# KiCad board IO_SDR_1.1.kicad_pcb
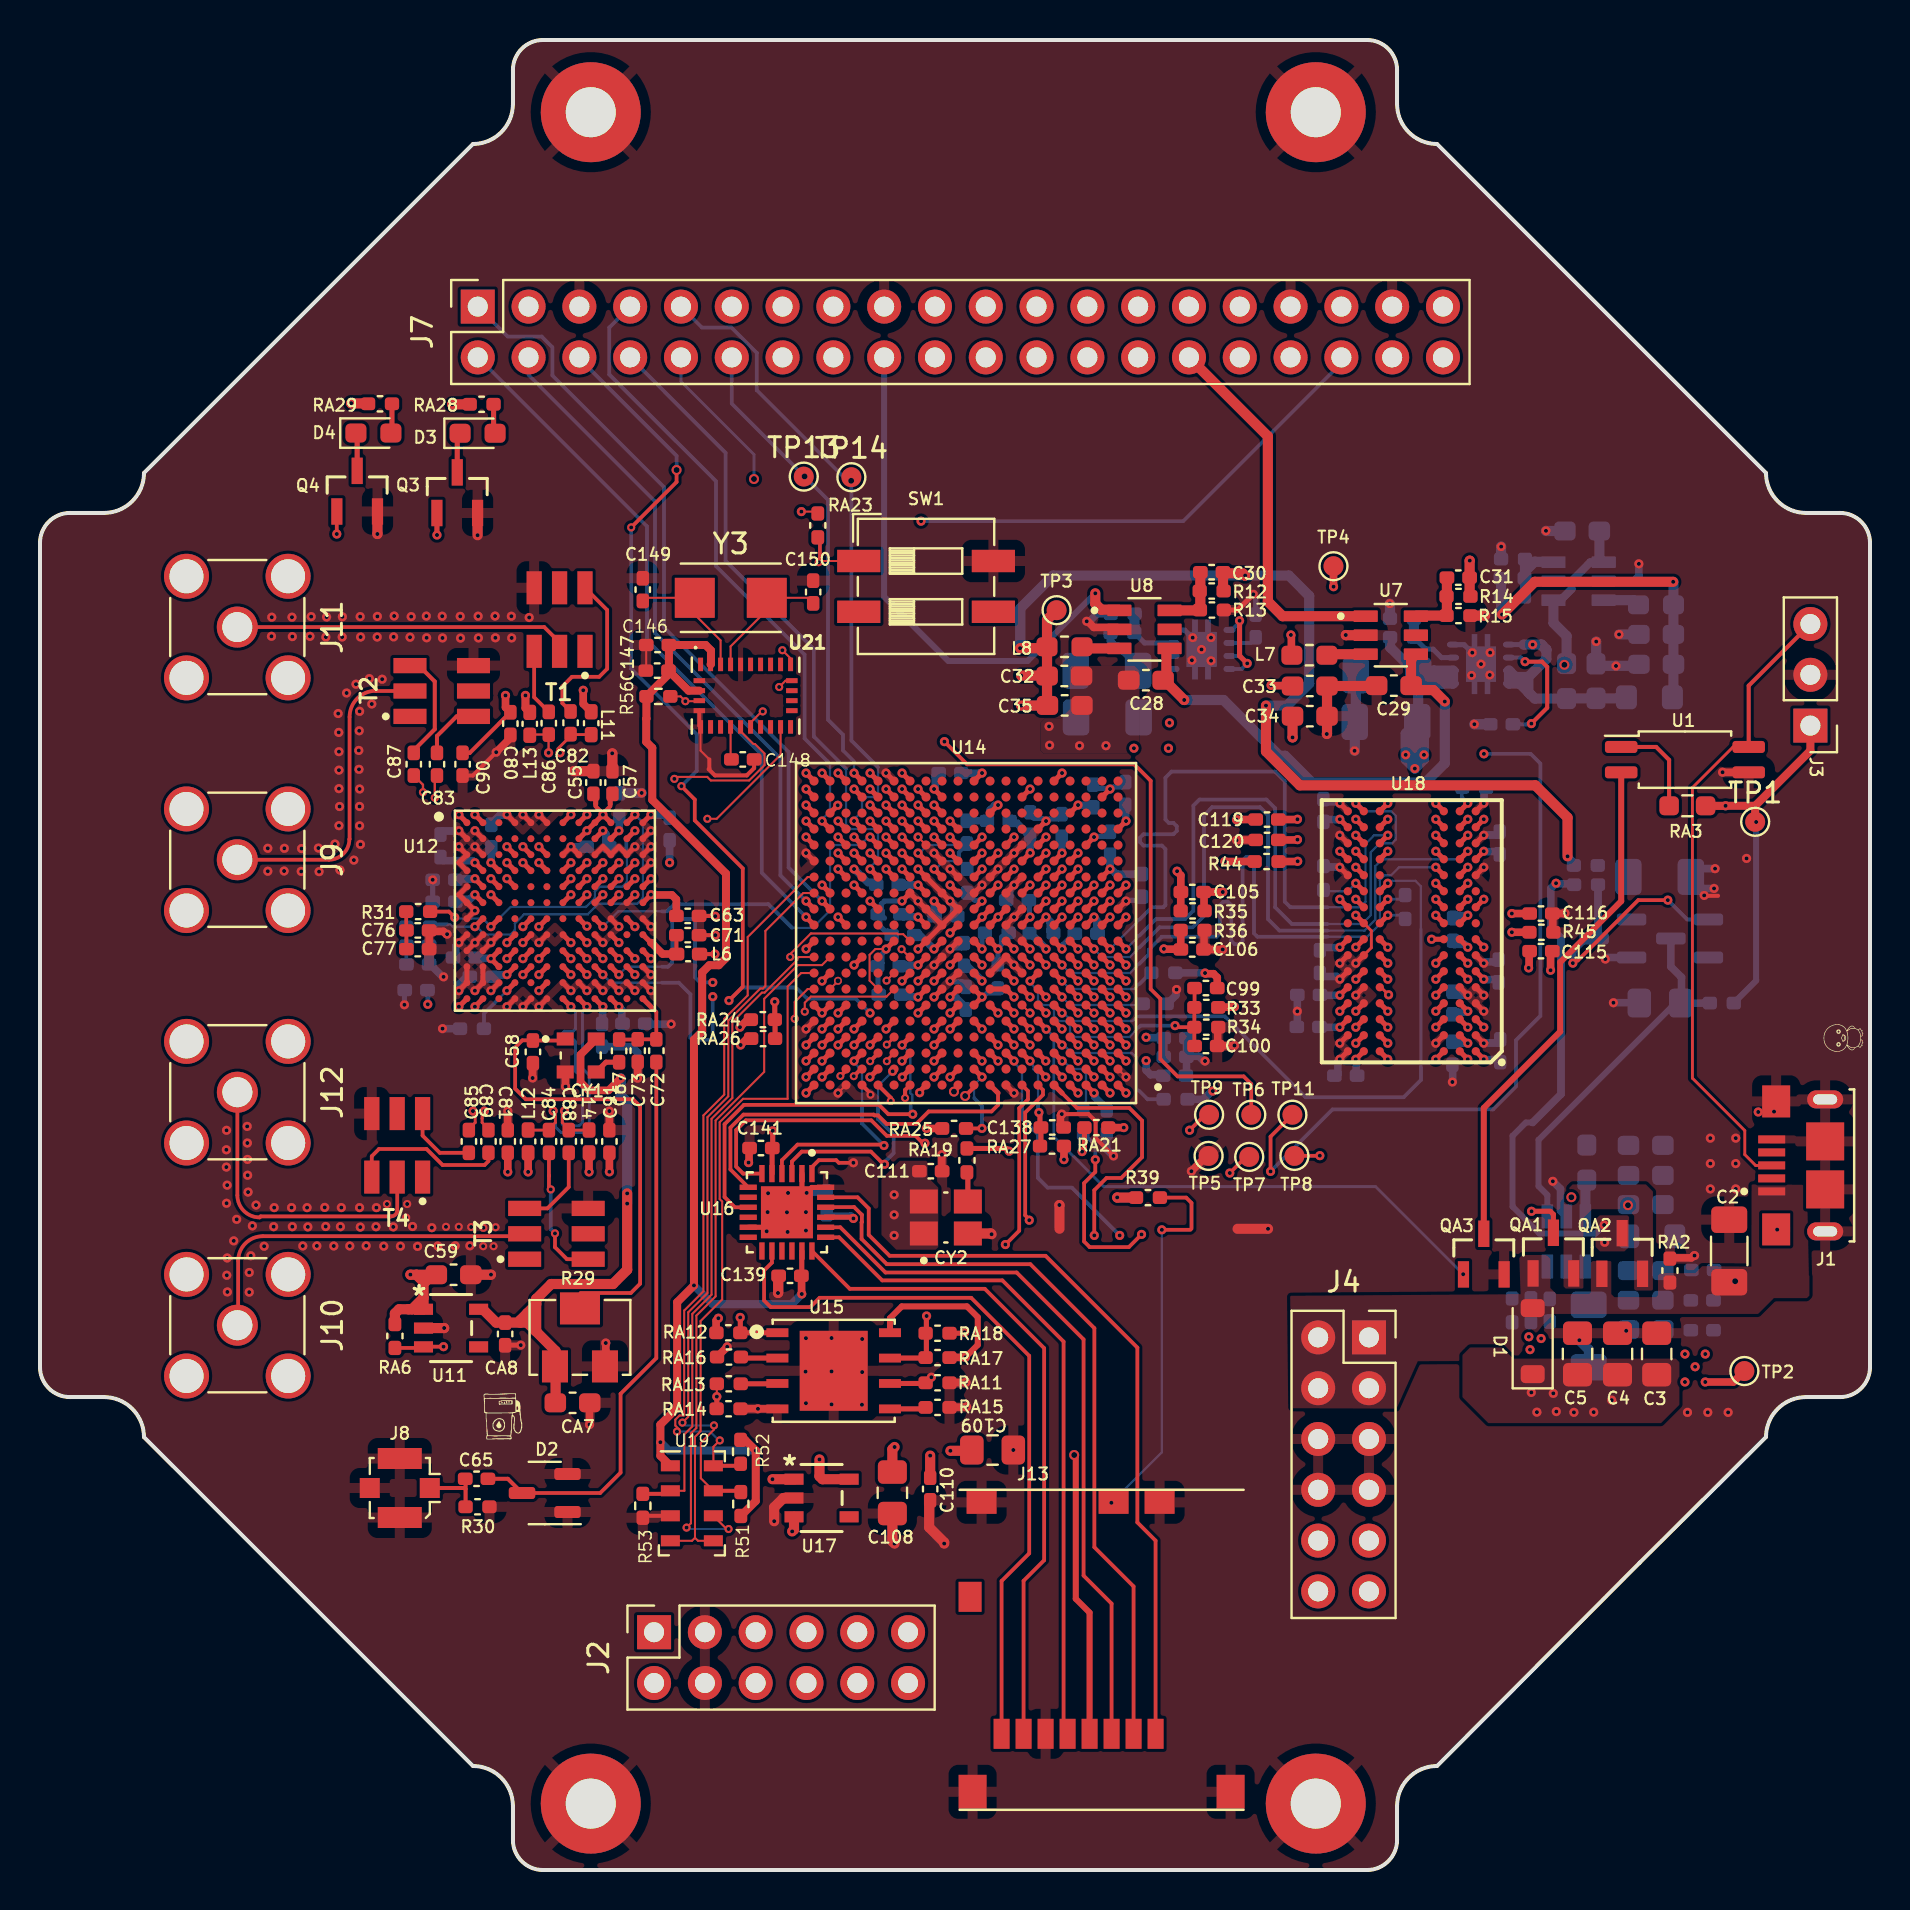
[diagram p0: board, top side]
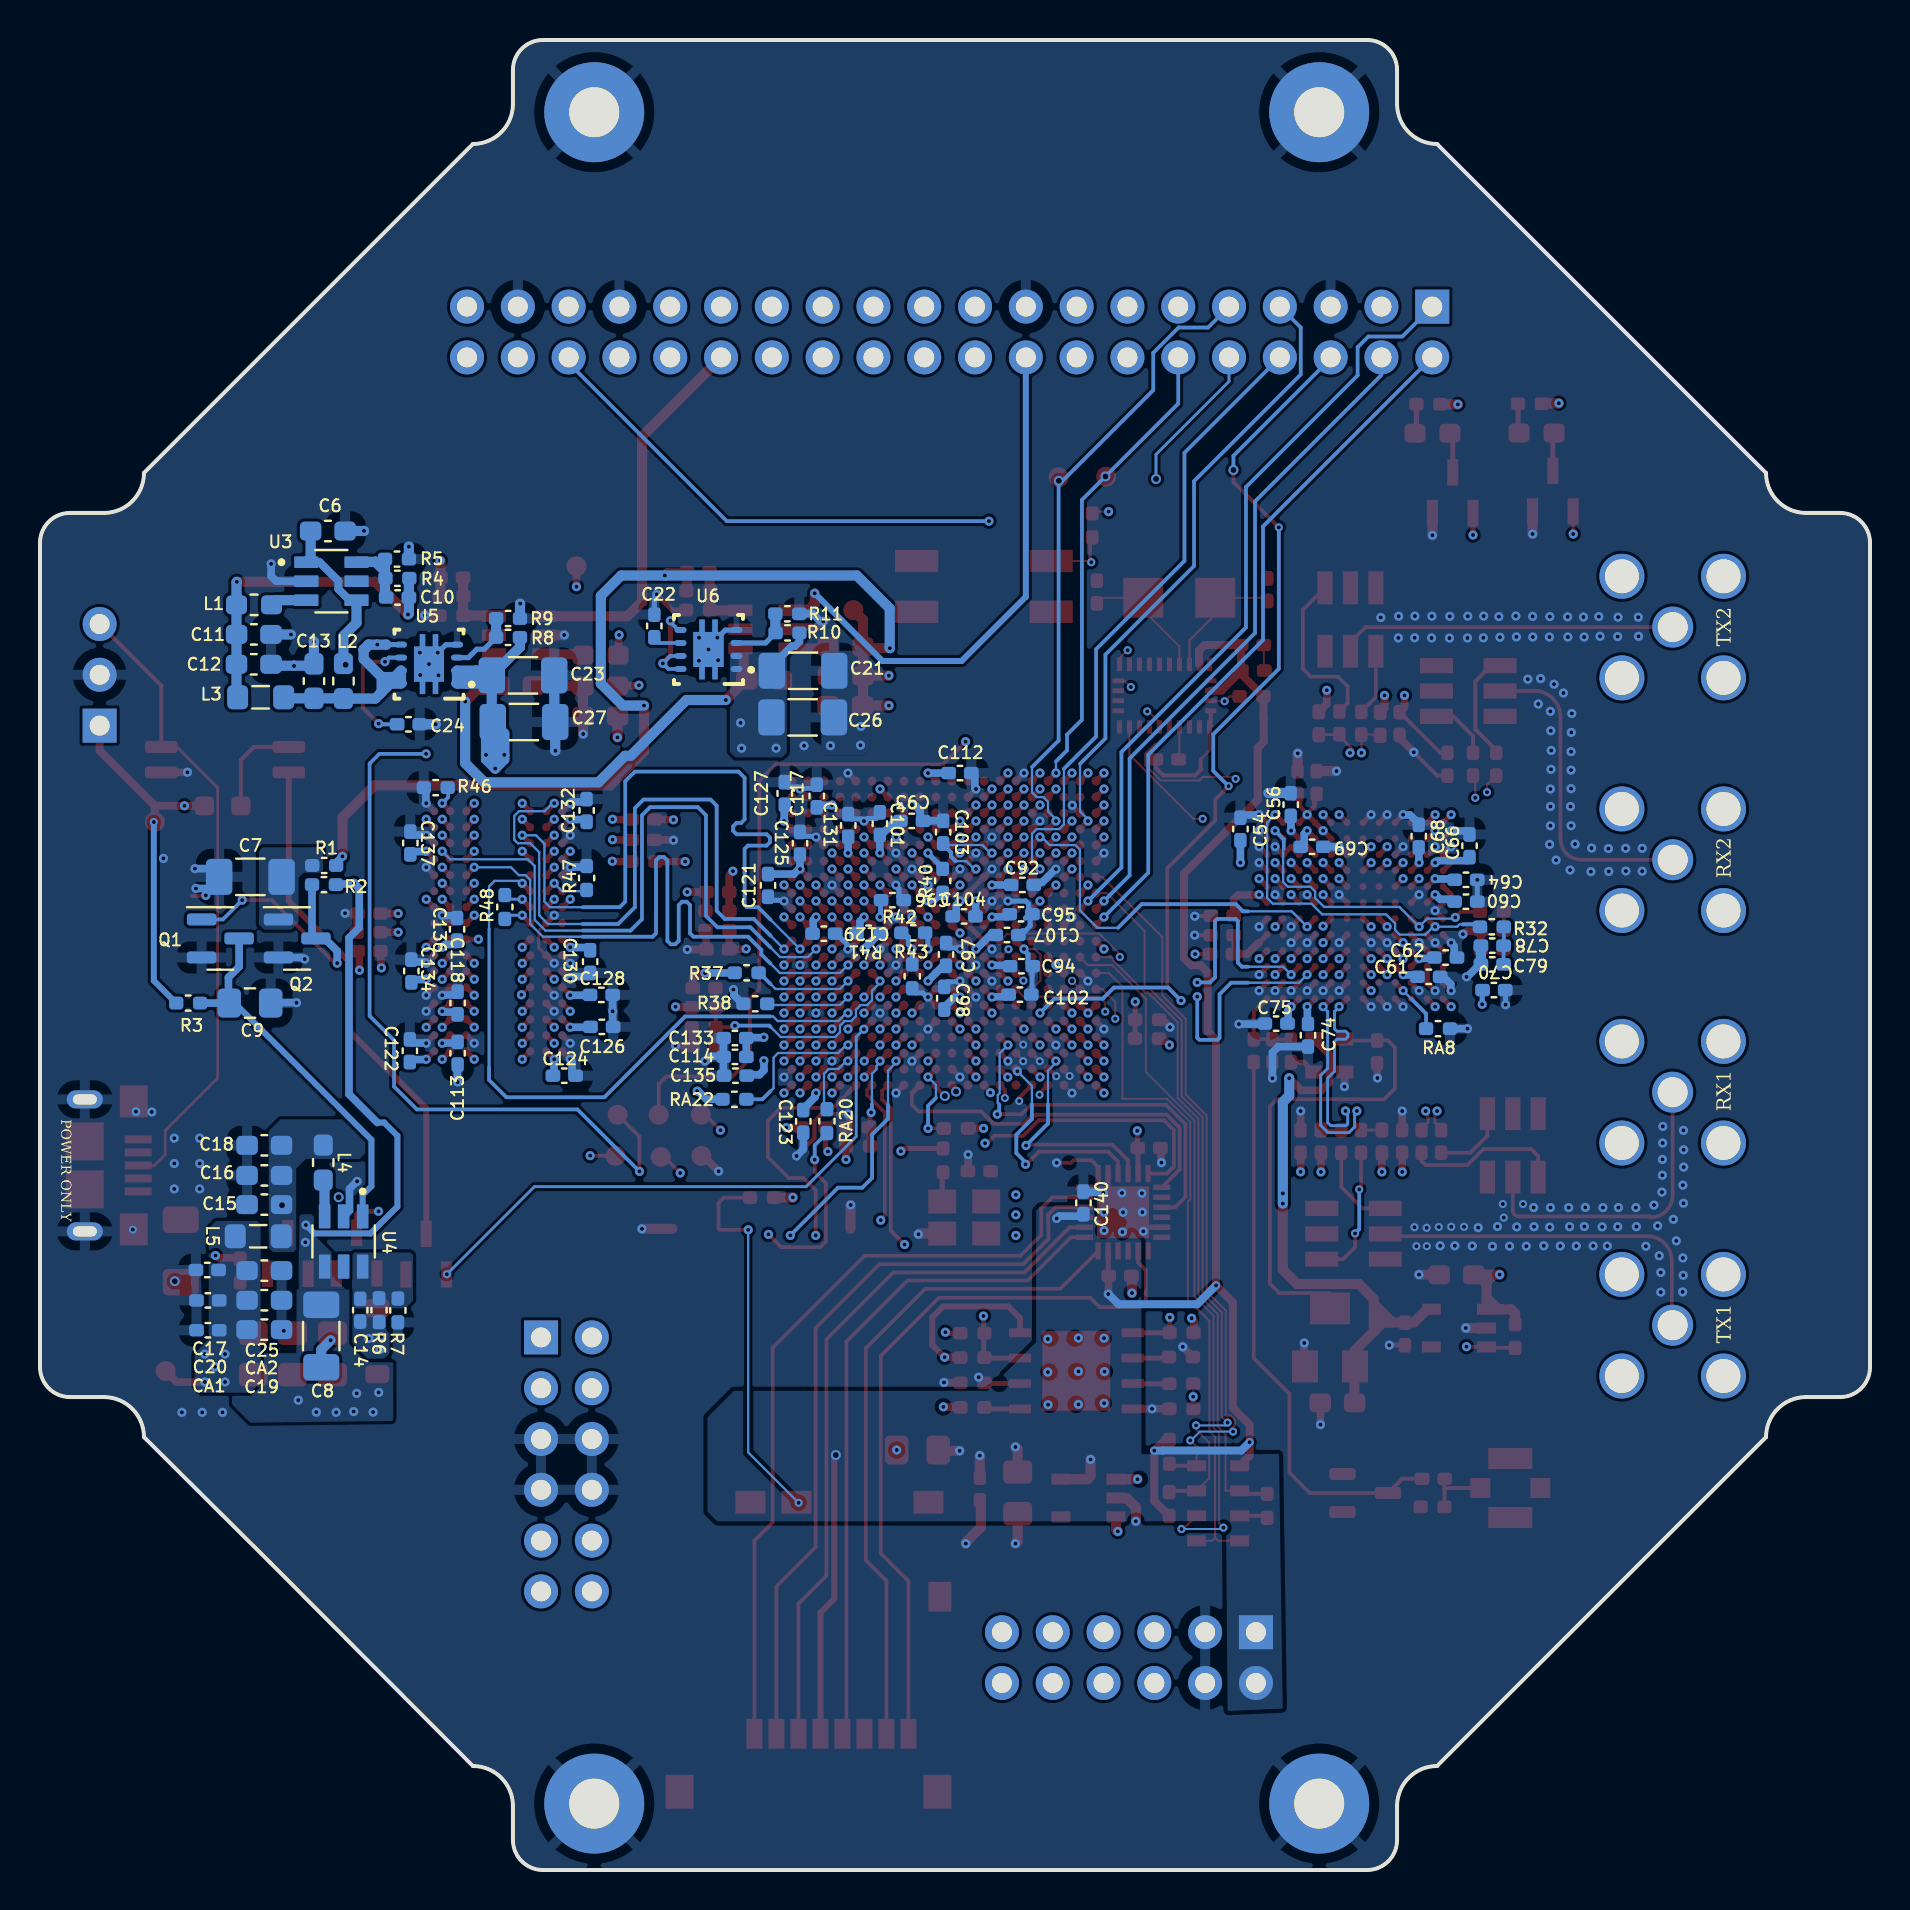
[diagram p1: board, bottom side, seen from below]

Outline 91.5 x 91.5 mm; copper layers: Top.Cu, In1.GND1.Cu, In2_Sig1.Cu, In3_PWR1.Cu, In4PWR2.Cu, Bottom.Cu. Coordinates in mm from the lower left corner of the outline.
Outline path: 0,66.35 0,25.15 arc(0.44,24.09) 1.5,23.65 3.2,23.65 arc(4.62,23.06) 5.2,21.64 21.65,5.2 arc(23.06,4.61) 23.65,3.2 23.65,1.49 arc(24.09,0.43) 25.15,0 65.7,0 66.35,0 arc(67.41,0.44) 67.85,1.5 67.85,3.2 arc(68.44,4.61) 69.85,5.2 79.98,15.36 86.3,21.65 arc(86.89,23.06) 88.3,23.65 90.01,23.65 arc(91.07,24.09) 91.5,25.15 91.5,66.35 arc(91.06,67.41) 90,67.85 88.3,67.85 arc(86.89,68.44) 86.3,69.85 69.85,86.3 arc(68.44,86.89) 67.85,88.3 67.85,90 arc(67.41,91.06) 66.35,91.5 25.15,91.5 arc(24.09,91.06) 23.65,90 23.65,88.3 arc(23.06,86.89) 21.65,86.3 5.2,69.85 arc(4.61,68.44) 3.2,67.85 1.5,67.85 arc(0.44,67.41) 0,66.35
Stack: Top.Cu 0.0351mm / dielectric 0.1mm FR4 er 4.1 / In1.GND1.Cu 0.0152mm / dielectric 0.508mm FR4 er 4.6 / In2_Sig1.Cu 0.0152mm / dielectric 0.1mm FR4 er 4.1 / dielectric 0.0765mm FR4 er 4.5 / In3_PWR1.Cu 0.0152mm / dielectric 0.508mm FR4 er 4.6 / In4PWR2.Cu 0.0152mm / dielectric 0.1mm FR4 er 4.1 / dielectric 0.0765mm FR4 er 4.5 / Bottom.Cu 0.0351mm

## Placement (name value [footprint] x y rotation side)
C2  22uF  [C_1206_3216Metric_Pad1.33x1.80mm_HandSolder]  84.46 30.95 90 top
C3  100uF  [C_0805_2012Metric_Pad1.18x1.45mm_HandSolder]  80.84 25.8 90 top
C4  22uF  [C_0805_2012Metric_Pad1.18x1.45mm_HandSolder]  78.88 25.8 90 top
C5  10uF  [C_0805_2012Metric_Pad1.18x1.45mm_HandSolder]  76.88 25.8 90 top
C6  10uF  [C_0603_1608Metric_Pad1.08x0.95mm_HandSolder]  77.11 66.95 180 bottom
C7  10uF  [C_1206_3216Metric_Pad1.33x1.80mm_HandSolder]  80.98 49.66 0 bottom
C8  10uF  [C_1206_3216Metric_Pad1.33x1.80mm_HandSolder]  77.44 26.7 270 bottom
C9  1uF  [C_0805_2012Metric_Pad1.18x1.45mm_HandSolder]  81 43.35 180 bottom
C10  100pF  [C_0402_1005Metric_Pad0.74x0.62mm_HandSolder]  73.62 63.63 0 bottom
C11  10uF  [C_0603_1608Metric_Pad1.08x0.95mm_HandSolder]  80.81 61.78 180 bottom
C12  10uF  [C_0603_1608Metric_Pad1.08x0.95mm_HandSolder]  80.81 60.29 180 bottom
C13  10uF  [C_0603_1608Metric_Pad1.08x0.95mm_HandSolder]  77.8 59.45 90 bottom
C14  100pF  [C_0402_1005Metric_Pad0.74x0.62mm_HandSolder]  75.49 27.99 90 bottom
C15  10uF  [C_0603_1608Metric_Pad1.08x0.95mm_HandSolder]  80.28 33.27 0 bottom
C16  10uF  [C_0603_1608Metric_Pad1.08x0.95mm_HandSolder]  80.28 34.73 0 bottom
C17  0.1uF  [C_0402_1005Metric_Pad0.74x0.62mm_HandSolder]  83.14 30 0 bottom
C18  10uF  [C_0603_1608Metric_Pad1.08x0.95mm_HandSolder]  80.28 36.23 0 bottom
C19  10uF  [C_0603_1608Metric_Pad1.08x0.95mm_HandSolder]  80.28 27.02 180 bottom
C20  0.1uF  [C_0402_1005Metric_Pad0.74x0.62mm_HandSolder]  83.11 26.99 0 bottom
C21  47uF  [C_1206_3216Metric_Pad1.33x1.80mm_HandSolder]  53.35 59.96 180 bottom
C22  10nF  [C_0402_1005Metric_Pad0.74x0.62mm_HandSolder]  60.78 62.2 90 bottom
C23  47uF  [C_1206_3216Metric_Pad1.33x1.80mm_HandSolder]  67.35 59.73 180 bottom
C24  10nF  [C_0402_1005Metric_Pad0.74x0.62mm_HandSolder]  73.08 57.29 180 bottom
C25  10uF  [C_0603_1608Metric_Pad1.08x0.95mm_HandSolder]  80.28 29.97 180 bottom
C26  47uF  [C_1206_3216Metric_Pad1.33x1.80mm_HandSolder]  53.37 57.63 180 bottom
C27  47uF  [C_1206_3216Metric_Pad1.33x1.80mm_HandSolder]  67.3 57.4 180 bottom
C28  10uF  [C_0603_1608Metric_Pad1.08x0.95mm_HandSolder]  55.29 59.49 180 top
C29  10uF  [C_0603_1608Metric_Pad1.08x0.95mm_HandSolder]  67.69 59.22 180 top
C30  100pF  [C_0402_1005Metric_Pad0.74x0.62mm_HandSolder]  58.58 64.89 180 top
C31  100pF  [C_0402_1005Metric_Pad0.74x0.62mm_HandSolder]  70.91 64.62 180 top
C32  10uF  [C_0603_1608Metric_Pad1.08x0.95mm_HandSolder]  51.22 59.7 0 top
C33  10uF  [C_0603_1608Metric_Pad1.08x0.95mm_HandSolder]  63.49 59.2 0 top
C34  10uF  [C_0603_1608Metric_Pad1.08x0.95mm_HandSolder]  63.49 57.69 0 top
C35  10uF  [C_0603_1608Metric_Pad1.08x0.95mm_HandSolder]  51.23 58.23 0 top
C54  10nF  [C_0402_1005Metric_Pad0.74x0.62mm_HandSolder]  31.48 52.05 90 bottom
C55  10nF  [C_0402_1005Metric_Pad0.74x0.62mm_HandSolder]  27.67 54.37 90 top
C56  1uF  [C_0402_1005Metric_Pad0.74x0.62mm_HandSolder]  28.97 53.27 90 bottom
C57  1uF  [C_0402_1005Metric_Pad0.74x0.62mm_HandSolder]  28.62 54.37 90 top
C58  1uF  [C_0402_1005Metric_Pad0.74x0.62mm_HandSolder]  24.65 40.91 270 top
C59  10uF  [C_0603_1608Metric_Pad1.08x0.95mm_HandSolder]  20.68 29.76 0 top
C60  10nF  [C_0402_1005Metric_Pad0.74x0.62mm_HandSolder]  20.2 48.42 180 bottom
C61  10nF  [C_0402_1005Metric_Pad0.74x0.62mm_HandSolder]  22.06 44.66 180 bottom
C62  1uF  [C_0402_1005Metric_Pad0.74x0.62mm_HandSolder]  21.22 45.62 180 bottom
C63  1uF  [C_0402_1005Metric_Pad0.74x0.62mm_HandSolder]  32.39 47.71 0 top
C64  10nF  [C_0402_1005Metric_Pad0.74x0.62mm_HandSolder]  20.2 49.51 180 bottom
C65  18pF  [C_0402_1005Metric_Pad0.74x0.62mm_HandSolder]  21.83 19.56 180 top
C66  10nF  [C_0402_1005Metric_Pad0.74x0.62mm_HandSolder]  20.02 51.21 90 bottom
C67  18pF  [C_0402_1005Metric_Pad0.74x0.62mm_HandSolder]  28.96 40.96 90 top
C68  1uF  [C_0402_1005Metric_Pad0.74x0.62mm_HandSolder]  22.56 51.69 90 bottom
C69  10nF  [C_0402_1005Metric_Pad0.74x0.62mm_HandSolder]  27.9 51.16 180 bottom
C70  1uF  [C_0402_1005Metric_Pad0.74x0.62mm_HandSolder]  18.81 44 180 bottom
C71  10nF  [C_0402_1005Metric_Pad0.74x0.62mm_HandSolder]  32.39 46.74 0 top
C72  18pF  [C_0402_1005Metric_Pad0.74x0.62mm_HandSolder]  30.82 40.97 270 top
C73  18pF  [C_0402_1005Metric_Pad0.74x0.62mm_HandSolder]  29.89 40.97 270 top
C74  10nF  [C_0402_1005Metric_Pad0.74x0.62mm_HandSolder]  28.1 41.74 270 bottom
C75  10nF  [C_0402_1005Metric_Pad0.74x0.62mm_HandSolder]  29.69 42.32 0 bottom
C76  1nF  [C_0402_1005Metric_Pad0.74x0.62mm_HandSolder]  18.89 46.98 180 top
C77  1nF  [C_0402_1005Metric_Pad0.74x0.62mm_HandSolder]  18.89 46.04 180 top
C78  1nF  [C_0402_1005Metric_Pad0.74x0.62mm_HandSolder]  18.89 46.22 180 bottom
C79  1nF  [C_0402_1005Metric_Pad0.74x0.62mm_HandSolder]  18.89 45.28 180 bottom
C80  100nF  [C_0402_1005Metric_Pad0.74x0.62mm_HandSolder]  23.52 57.32 270 top
C81  100nF  [C_0402_1005Metric_Pad0.74x0.62mm_HandSolder]  23.39 36.43 90 top
C82  18pF  [C_0402_1005Metric_Pad0.74x0.62mm_HandSolder]  26.53 57.36 90 top
C83  18pF  [C_0402_1005Metric_Pad0.74x0.62mm_HandSolder]  19.85 55.29 90 top
C84  18pF  [C_0402_1005Metric_Pad0.74x0.62mm_HandSolder]  25.45 36.43 270 top
C85  18pF  [C_0402_1005Metric_Pad0.74x0.62mm_HandSolder]  21.44 36.43 270 top
C86  18pF  [C_0402_1005Metric_Pad0.74x0.62mm_HandSolder]  25.44 57.34 90 top
C87  18pF  [C_0402_1005Metric_Pad0.74x0.62mm_HandSolder]  18.69 55.29 90 top
C88  18pF  [C_0402_1005Metric_Pad0.74x0.62mm_HandSolder]  26.44 36.43 270 top
C89  18pF  [C_0402_1005Metric_Pad0.74x0.62mm_HandSolder]  22.42 36.43 270 top
C90  100nF  [C_0402_1005Metric_Pad0.74x0.62mm_HandSolder]  21.13 55.29 270 top
C91  100nF  [C_0402_1005Metric_Pad0.74x0.62mm_HandSolder]  28.47 36.43 90 top
C92  0.1uF  [C_0402_1005Metric_Pad0.74x0.62mm_HandSolder]  42.38 49.26 180 bottom
C93  0.1uF  [C_0402_1005Metric_Pad0.74x0.62mm_HandSolder]  47.91 52.46 180 bottom
C94  10uF  [C_0402_1005Metric_Pad0.74x0.62mm_HandSolder]  42.43 45.19 180 bottom
C95  10uF  [C_0402_1005Metric_Pad0.74x0.62mm_HandSolder]  42.45 47.79 180 bottom
C96  10uF  [C_0402_1005Metric_Pad0.74x0.62mm_HandSolder]  48.88 48.49 180 bottom
C97  0.1uF  [C_0402_1005Metric_Pad0.74x0.62mm_HandSolder]  46.2 45.78 90 bottom
C98  0.1uF  [C_0402_1005Metric_Pad0.74x0.62mm_HandSolder]  46.29 43.59 90 bottom
C99  100nF  [C_0402_1005Metric_Pad0.74x0.62mm_HandSolder]  58.3 44.1 180 top
C100  100nF  [C_0402_1005Metric_Pad0.74x0.62mm_HandSolder]  58.3 41.2 0 top
C101  0.1uF  [C_0402_1005Metric_Pad0.74x0.62mm_HandSolder]  49.51 52.32 90 bottom
C102  0.1uF  [C_0402_1005Metric_Pad0.74x0.62mm_HandSolder]  42.5 43.77 180 bottom
C103  0.1uF  [C_0402_1005Metric_Pad0.74x0.62mm_HandSolder]  46.34 51.89 90 bottom
C104  0.1uF  [C_0402_1005Metric_Pad0.74x0.62mm_HandSolder]  45.3 47.68 0 bottom
C105  100nF  [C_0402_1005Metric_Pad0.74x0.62mm_HandSolder]  57.61 48.9 180 top
C106  100nF  [C_0402_1005Metric_Pad0.74x0.62mm_HandSolder]  57.61 46.03 0 top
C107  0.1uF  [C_0402_1005Metric_Pad0.74x0.62mm_HandSolder]  43.15 46.75 180 bottom
C108  10uF  [C_0805_2012Metric_Pad1.18x1.45mm_HandSolder]  42.62 18.86 270 top
C109  10uF  [C_0805_2012Metric_Pad1.18x1.45mm_HandSolder]  47.63 21 0 top
C110  100nF  [C_0402_1005Metric_Pad0.74x0.62mm_HandSolder]  44.51 19.05 270 top
C111  1uF  [C_0402_1005Metric_Pad0.74x0.62mm_HandSolder]  44.54 34.94 0 top
C112  1uF  [C_0402_1005Metric_Pad0.74x0.62mm_HandSolder]  45.5 54.85 180 bottom
C113  10uF  [C_0402_1005Metric_Pad0.74x0.62mm_HandSolder]  70.62 40.84 270 bottom
C114  1uF  [C_0402_1005Metric_Pad0.74x0.62mm_HandSolder]  56.75 40.66 0 bottom
C115  100nF  [C_0402_1005Metric_Pad0.74x0.62mm_HandSolder]  75.05 45.94 180 top
C116  100nF  [C_0402_1005Metric_Pad0.74x0.62mm_HandSolder]  75.05 47.82 0 top
C117  10nF  [C_0402_1005Metric_Pad0.74x0.62mm_HandSolder]  52.66 53.7 90 bottom
C118  1uF  [C_0402_1005Metric_Pad0.74x0.62mm_HandSolder]  70.62 43.35 90 bottom
C119  100pF  [C_0402_1005Metric_Pad0.74x0.62mm_HandSolder]  61.35 52.52 0 top
C120  100pF  [C_0402_1005Metric_Pad0.74x0.62mm_HandSolder]  61.35 51.5 180 top
C121  10nF  [C_0402_1005Metric_Pad0.74x0.62mm_HandSolder]  55.1 49.23 270 bottom
C122  10nF  [C_0402_1005Metric_Pad0.74x0.62mm_HandSolder]  73.01 40.96 90 bottom
C123  10nF  [C_0402_1005Metric_Pad0.74x0.62mm_HandSolder]  53.34 37.43 270 bottom
C124  10nF  [C_0402_1005Metric_Pad0.74x0.62mm_HandSolder]  65.29 39.72 180 bottom
C125  10nF  [C_0402_1005Metric_Pad0.74x0.62mm_HandSolder]  53.5 51.34 90 bottom
C126  10nF  [C_0402_1005Metric_Pad0.74x0.62mm_HandSolder]  63.41 42.16 180 bottom
C127  10nF  [C_0402_1005Metric_Pad0.74x0.62mm_HandSolder]  54.26 53.83 90 bottom
C128  10nF  [C_0402_1005Metric_Pad0.74x0.62mm_HandSolder]  63.43 43.76 180 bottom
C129  10nF  [C_0402_1005Metric_Pad0.74x0.62mm_HandSolder]  52.31 46.82 180 bottom
C130  10nF  [C_0402_1005Metric_Pad0.74x0.62mm_HandSolder]  63.99 45.42 270 bottom
C131  10nF  [C_0402_1005Metric_Pad0.74x0.62mm_HandSolder]  51.09 52.23 90 bottom
C132  10nF  [C_0402_1005Metric_Pad0.74x0.62mm_HandSolder]  64.17 52.98 90 bottom
C133  10nF  [C_0402_1005Metric_Pad0.74x0.62mm_HandSolder]  56.75 41.6 0 bottom
C134  10nF  [C_0402_1005Metric_Pad0.74x0.62mm_HandSolder]  72.93 44.95 90 bottom
C135  10uF  [C_0402_1005Metric_Pad0.74x0.62mm_HandSolder]  56.73 39.72 0 bottom
C136  10nF  [C_0402_1005Metric_Pad0.74x0.62mm_HandSolder]  70.65 47.03 90 bottom
C137  10nF  [C_0402_1005Metric_Pad0.74x0.62mm_HandSolder]  72.98 51.35 90 bottom
C138  0.1uF  [C_0402_1005Metric_Pad0.74x0.62mm_HandSolder]  50.61 37.13 0 top
C139  100nF  [C_0402_1005Metric_Pad0.74x0.62mm_HandSolder]  37.5 29.71 180 top
C140  100nF  [C_0402_1005Metric_Pad0.74x0.62mm_HandSolder]  39.33 33.35 90 bottom
C141  100nF  [C_0402_1005Metric_Pad0.74x0.62mm_HandSolder]  36.05 36.1 180 top
C146  100nF  [C_0402_1005Metric_Pad0.74x0.62mm_HandSolder]  30.88 61.25 180 top
C147  100nF  [C_0402_1005Metric_Pad0.74x0.62mm_HandSolder]  30.86 59.97 180 top
C148  1uF  [C_0402_1005Metric_Pad0.74x0.62mm_HandSolder]  35.14 55.53 0 top
C149  22pf  [C_0402_1005Metric_Pad0.74x0.62mm_HandSolder]  30.14 64.02 90 top
C150  22pf  [C_0402_1005Metric_Pad0.74x0.62mm_HandSolder]  38.66 63.9 90 top
CA1  0.1uF  [C_0402_1005Metric_Pad0.74x0.62mm_HandSolder]  83.11 28.48 0 bottom
CA2  10uF  [C_0603_1608Metric_Pad1.08x0.95mm_HandSolder]  80.28 28.49 180 bottom
CA7  10uF  [C_0603_1608Metric_Pad1.08x0.95mm_HandSolder]  26.63 23.36 0 top
CA8  0.1uF  [C_0402_1005Metric_Pad0.74x0.62mm_HandSolder]  23.26 26.8 270 top
CY1  ASDMB-33.333MHZ-LC-T  [XTAL_ASDMB-33.333MHZ-LC-T]  27.04 40.73 0 top
CY2  33.333MHz  [XTAL_ABM8AIG-25.000MHZ-12-2Z-T3]  45.29 32.63 90 top
D1  SUPK24  [D_SOD-123]  74.64 26.44 90 top
D2  SUP5522F  [SOT-23-3]  25.24 18.85 180 top
D3  LED6  [LED_0603_1608Metric_Pad1.05x0.95mm_HandSolder]  21.88 71.84 0 top
D4  LED6  [LED_0603_1608Metric_Pad1.05x0.95mm_HandSolder]  16.67 71.85 0 top
G***  LOGO  [gas]  23.04 22.74 0 top
G***#2  LOGO  [duck]  90.38 41.6 90 top
H1  MountingHole_Pad  [MountingHole_2.5mm_Pad]  27.54 87.89 0 top
H2  MountingHole_Pad  [MountingHole_2.5mm_Pad]  63.79 87.89 0 top
H3  MountingHole_Pad  [MountingHole_2.5mm_Pad]  63.79 3.32 0 top
H4  MountingHole_Pad  [MountingHole_2.5mm_Pad]  27.54 3.32 0 top
J1  10118193-0001LF  [AMPHENOL_10118193-0001LF]  89.26 35.23 90 top
J2  Conn_02x06_Odd_Even  [PinSocket_2x06_P2.54mm_Vertical]  30.7 11.89 90 top
J3  Conn_01x03_Shielded  [PinHeader_1x03_P2.54mm_Vertical]  88.52 57.22 180 top
J4  Conn_02x06_Odd_Even  [PinSocket_2x06_P2.54mm_Vertical]  66.45 26.63 0 top
J7  Conn_02x20_Counter_Clockwise  [PinSocket_2x20_P2.54mm_Vertical]  21.89 78.17 90 top
J8  73412-0110  [U.FL_Molex_MCRF_73412-0110_Vertical]  17.99 19.1 90 top
J9  RF2-49B-T-00-50-G-HDW  [SMA_Amphenol_901-144_Vertical]  9.86 50.51 270 top
J10  RF2-49B-T-00-50-G-HDW  [SMA_Amphenol_901-144_Vertical]  9.87 27.24 270 top
J11  RF2-49B-T-00-50-G-HDW  [SMA_Amphenol_901-144_Vertical]  9.86 62.15 270 top
J12  RF2-49B-T-00-50-G-HDW  [SMA_Amphenol_901-144_Vertical]  9.87 38.89 270 top
J13  502570-0893  [MOLEX_502570-0893]  53.08 11.01 180 top
L1  2.2uH  [L_0603_1608Metric_Pad1.05x0.95mm_HandSolder]  80.8 63.26 0 bottom
L2  R0603  [L_0603_1608Metric_Pad1.05x0.95mm_HandSolder]  76.33 59.45 270 bottom
L3  R0805  [L_0805_2012Metric_Pad1.05x1.20mm_HandSolder]  80.47 58.63 180 bottom
L4  2.2uH  [L_0603_1608Metric_Pad1.05x0.95mm_HandSolder]  77.34 35.37 90 bottom
L5  R0805  [L_0805_2012Metric_Pad1.05x1.20mm_HandSolder]  80.59 31.69 0 bottom
L6  R0402  [L_0402_1005Metric_Pad0.77x0.64mm_HandSolder]  32.41 45.8 180 top
L7  2.2uH  [L_0603_1608Metric_Pad1.05x0.95mm_HandSolder]  63.47 60.74 180 top
L8  2.2uH  [L_0603_1608Metric_Pad1.05x0.95mm_HandSolder]  51.23 61.16 180 top
L11  330nH  [L_0402_1005Metric_Pad0.77x0.64mm_HandSolder]  27.56 57.34 90 top
L12  330nF  [L_0402_1005Metric_Pad0.77x0.64mm_HandSolder]  24.41 36.43 270 top
L13  330nH  [L_0402_1005Metric_Pad0.77x0.64mm_HandSolder]  24.49 57.31 90 top
L14  330nF  [L_0402_1005Metric_Pad0.77x0.64mm_HandSolder]  27.45 36.43 270 top
Q1  S8050  [SOT-23]  82.48 46.58 180 bottom
Q2  S8050  [SOT-23]  78.64 46.58 180 bottom
Q3  ~  [SOT23 MOSFET FOOT PRINT]  20.86 68.87 90 top
Q4  ~  [SOT23 MOSFET FOOT PRINT]  15.86 68.94 90 top
QA1  -  [HR8031GS6]  75.67 30.85 90 top
QA2  -  [HR8031GS6]  79.11 30.83 90 top
QA3  -  [HR8031GS6]  72.19 30.8 90 top
R1  33R  [R_0402_1005Metric_Pad0.72x0.64mm_HandSolder]  77.29 50.23 0 bottom
R2  10K  [R_0402_1005Metric_Pad0.72x0.64mm_HandSolder]  77.3 49.27 0 bottom
R3  10K  [R_0402_1005Metric_Pad0.72x0.64mm_HandSolder]  84.09 43.35 180 bottom
R4  7.5K  [R_0402_1005Metric_Pad0.72x0.64mm_HandSolder]  73.63 64.59 0 bottom
R5  2K  [R_0402_1005Metric_Pad0.72x0.64mm_HandSolder]  73.65 65.55 180 bottom
R6  20K  [R_0402_1005Metric_Pad0.72x0.64mm_HandSolder]  74.55 27.99 90 bottom
R7  10K  [R_0402_1005Metric_Pad0.72x0.64mm_HandSolder]  73.61 27.98 270 bottom
R8  7.5K  [R_0402_1005Metric_Pad0.72x0.64mm_HandSolder]  68.1 61.63 0 bottom
R9  12K  [R_0402_1005Metric_Pad0.72x0.64mm_HandSolder]  68.1 62.58 180 bottom
R10  7.5K  [R_0402_1005Metric_Pad0.72x0.64mm_HandSolder]  54.12 61.86 0 bottom
R11  12K  [R_0402_1005Metric_Pad0.72x0.64mm_HandSolder]  54.13 62.81 180 bottom
R12  3.3K  [R_0402_1005Metric_Pad0.72x0.64mm_HandSolder]  58.58 63.95 180 top
R13  4.7K  [R_0402_1005Metric_Pad0.72x0.64mm_HandSolder]  58.59 63 0 top
R14  15K  [R_0402_1005Metric_Pad0.72x0.64mm_HandSolder]  70.92 63.68 180 top
R15  10K  [R_0402_1005Metric_Pad0.72x0.64mm_HandSolder]  70.92 62.72 0 top
R29  50K  [Potentiometer_Bourns_3214W_Vertical]  27 26.63 180 top
R30  ESD  [R_0402_1005Metric_Pad0.72x0.64mm_HandSolder]  21.88 18.16 0 top
R31  1R  [R_0402_1005Metric_Pad0.72x0.64mm_HandSolder]  18.91 47.92 0 top
R32  1R  [R_0402_1005Metric_Pad0.72x0.64mm_HandSolder]  18.91 47.16 0 bottom
R33  2.4K  [R_0402_1005Metric_Pad0.72x0.64mm_HandSolder]  58.32 43.13 180 top
R34  2.4K  [R_0402_1005Metric_Pad0.72x0.64mm_HandSolder]  58.32 42.14 0 top
R35  2.4K  [R_0402_1005Metric_Pad0.72x0.64mm_HandSolder]  57.63 47.96 180 top
R36  2.4K  [R_0402_1005Metric_Pad0.72x0.64mm_HandSolder]  57.63 46.99 0 top
R37  80.5R  [R_0402_1005Metric_Pad0.72x0.64mm_HandSolder]  56.17 44.86 0 bottom
R38  80.5R  [R_0402_1005Metric_Pad0.72x0.64mm_HandSolder]  55.74 43.31 0 bottom
R39  4.7K  [R_0402_1005Metric_Pad0.72x0.64mm_HandSolder]  55.4 33.62 0 top
R40  4.7K  [R_0402_1005Metric_Pad0.72x0.64mm_HandSolder]  46.36 49.46 270 bottom
R41  4.7K  [R_0402_1005Metric_Pad0.72x0.64mm_HandSolder]  50.07 46.84 180 bottom
R42  4.7K  [R_0402_1005Metric_Pad0.72x0.64mm_HandSolder]  47.84 46.86 0 bottom
R43  4.7K  [R_0402_1005Metric_Pad0.72x0.64mm_HandSolder]  47.89 44.68 270 bottom
R44  2.4K  [R_0402_1005Metric_Pad0.72x0.64mm_HandSolder]  61.33 50.42 0 top
R45  2.4K  [R_0402_1005Metric_Pad0.72x0.64mm_HandSolder]  75.07 46.89 0 top
R46  4.7K  [R_0402_1005Metric_Pad0.72x0.64mm_HandSolder]  71.71 54.12 0 bottom
R47  240R  [R_0402_1005Metric_Pad0.72x0.64mm_HandSolder]  64.17 49.6 90 bottom
R48  80.5R  [R_0402_1005Metric_Pad0.72x0.64mm_HandSolder]  68.26 48.15 90 bottom
R51  4.7K  [R_0402_1005Metric_Pad0.72x0.64mm_HandSolder]  35.04 18.3 90 top
R52  4.7K  [R_0402_1005Metric_Pad0.72x0.64mm_HandSolder]  35.03 20.91 270 top
R53  4.7K  [R_0402_1005Metric_Pad0.72x0.64mm_HandSolder]  30.14 18.21 270 top
R56  10K  [R_0402_1005Metric_Pad0.72x0.64mm_HandSolder]  30.92 58.68 0 top
RA2  2.4K  [R_0402_1005Metric_Pad0.72x0.64mm_HandSolder]  81.5 29.97 90 top
RA3  4.7K  [R_0603_1608Metric_Pad0.98x0.95mm_HandSolder]  82.37 53.21 180 top
RA6  10K  [R_0402_1005Metric_Pad0.72x0.64mm_HandSolder]  17.74 26.7 270 top
RA8  14.3K  [R_0402_1005Metric_Pad0.72x0.64mm_HandSolder]  21.6 42.07 180 bottom
RA11  20K  [R_0402_1005Metric_Pad0.72x0.64mm_HandSolder]  44.88 24.36 0 top
RA12  1K  [R_0402_1005Metric_Pad0.72x0.64mm_HandSolder]  34.42 26.86 0 top
RA13  20K  [R_0402_1005Metric_Pad0.72x0.64mm_HandSolder]  34.44 24.31 180 top
RA14  1K  [R_0402_1005Metric_Pad0.72x0.64mm_HandSolder]  34.43 23.06 0 top
RA15  20K  [R_0402_1005Metric_Pad0.72x0.64mm_HandSolder]  44.88 23.13 0 top
RA16  20K  [R_0402_1005Metric_Pad0.72x0.64mm_HandSolder]  34.45 25.65 180 top
RA17  20K  [R_0402_1005Metric_Pad0.72x0.64mm_HandSolder]  44.88 25.62 180 top
RA18  1K  [R_0402_1005Metric_Pad0.72x0.64mm_HandSolder]  44.88 26.84 0 top
RA19  33R  [R_0402_1005Metric_Pad0.72x0.64mm_HandSolder]  46.35 35.48 270 top
RA20  33R  [R_0402_1005Metric_Pad0.72x0.64mm_HandSolder]  52.16 37.44 270 bottom
RA21  20K  [R_0402_1005Metric_Pad0.72x0.64mm_HandSolder]  52.82 37.12 0 top